# KiCad board Y_BUS_Ctrl.kicad_pcb
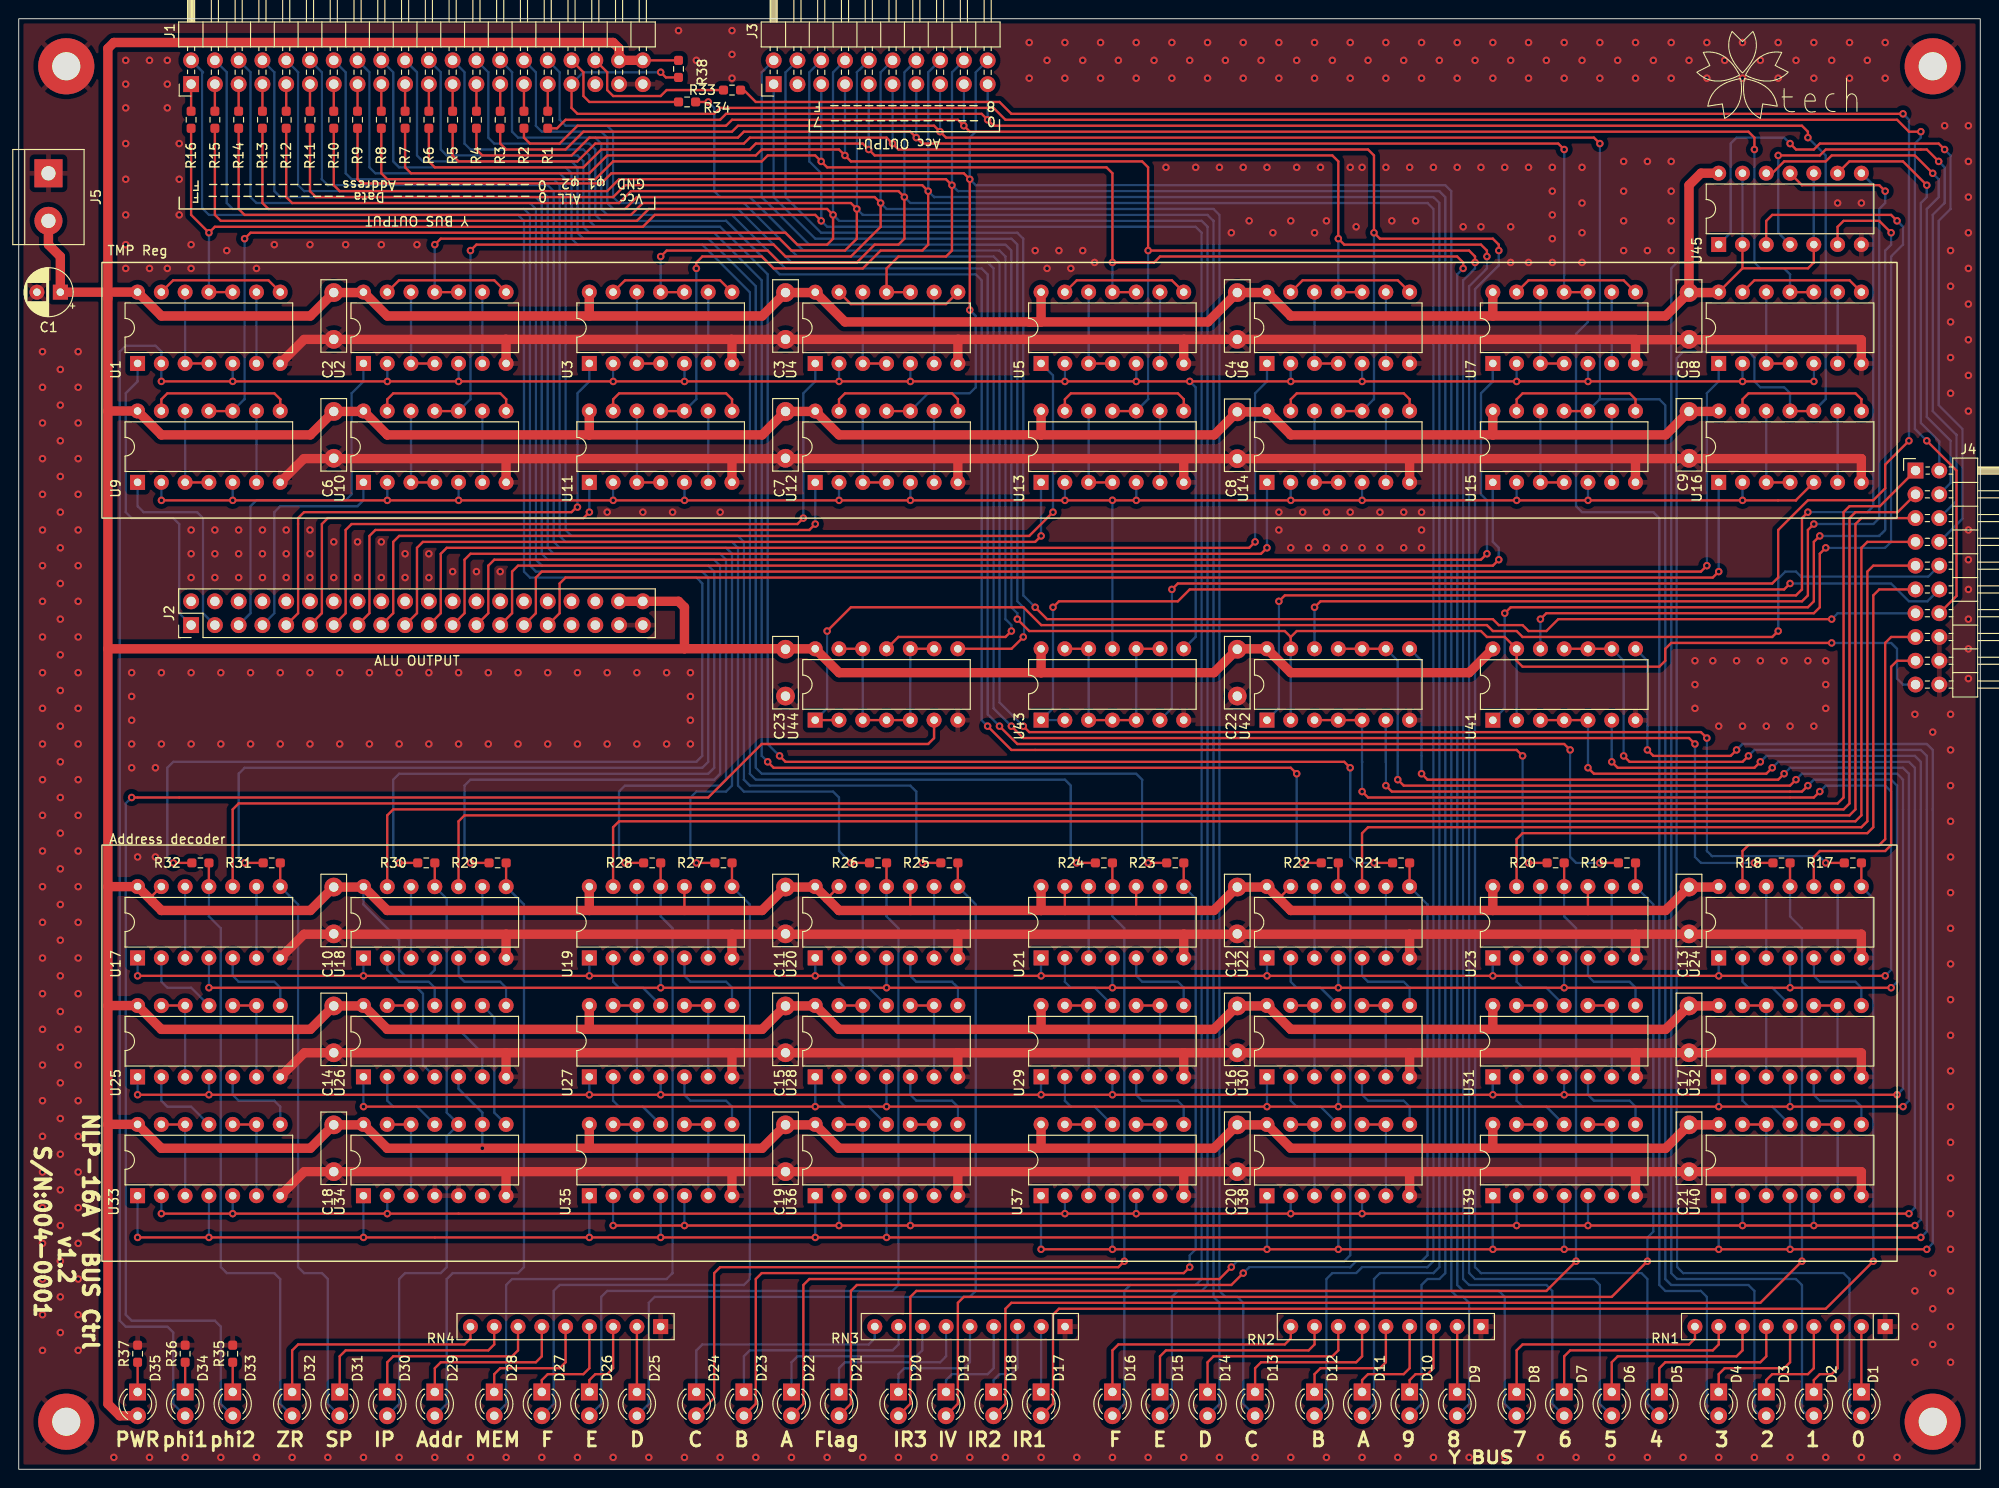
[diagram p0: board, top side]
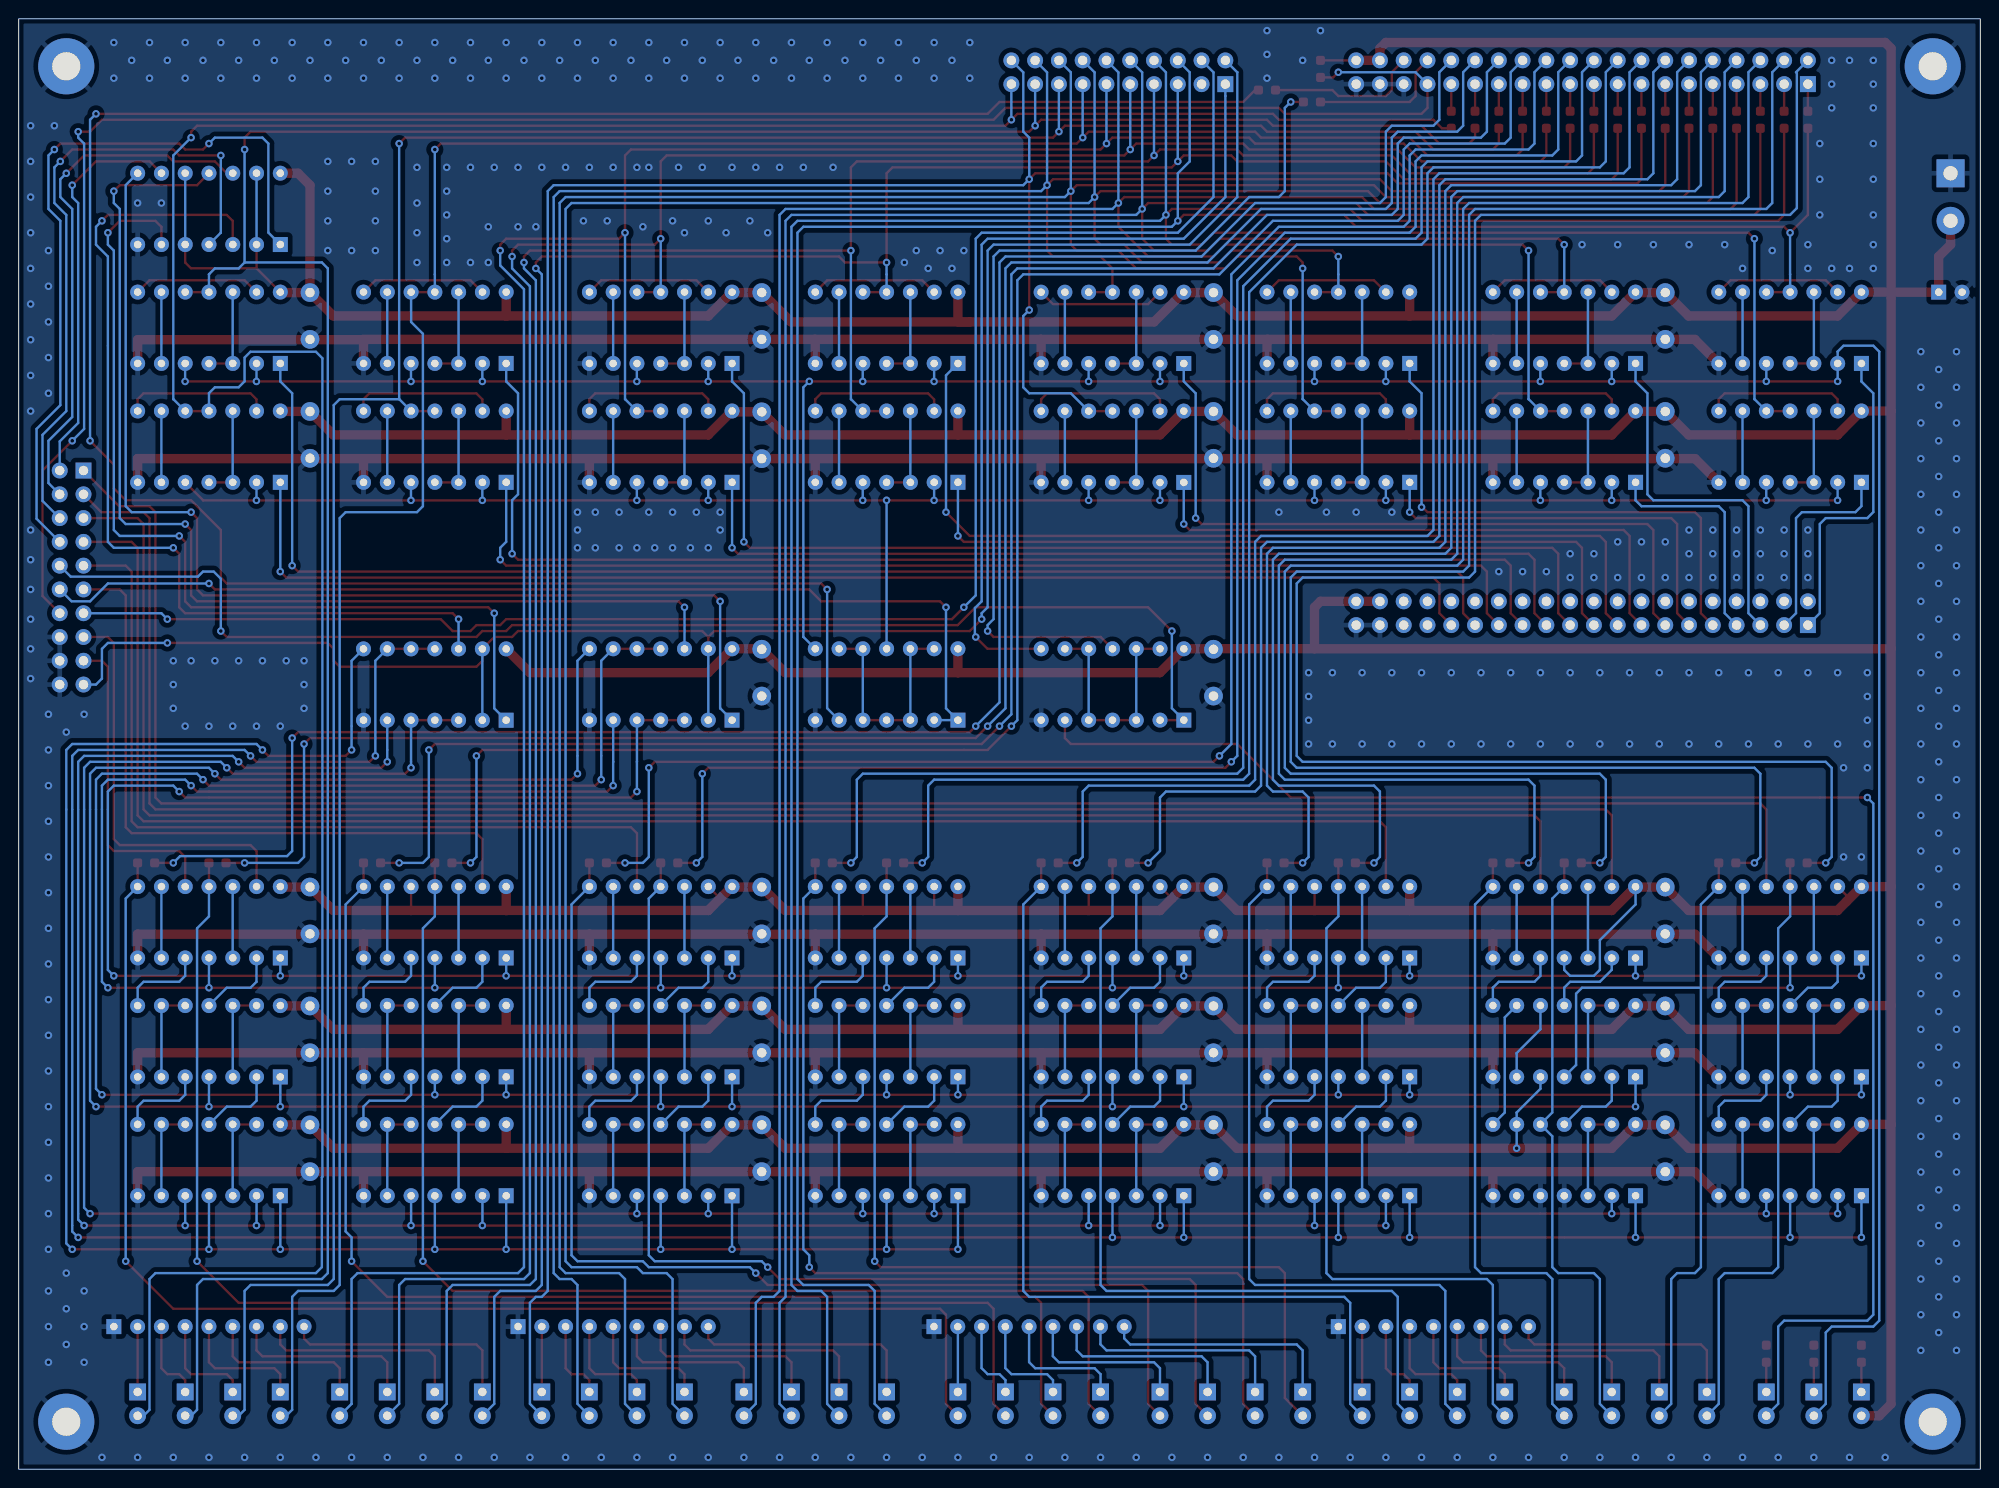
[diagram p1: board, bottom side, seen from below]

Outline 209.55 x 154.94 mm; copper layers: Top, Bottom. Coordinates in mm from the lower left corner of the outline.
Outline path: rectangle 0,154.94 209.55,0
Stack: Top 0.035mm / dielectric 1.51mm FR4 er 4.5 / Bottom 0.035mm

## Placement (name value [footprint] x y rotation side)
C1  C_Polarized  [CP_Radial_D5.0mm_P2.50mm]  4.45 125.73 180 top
C2  C  [C_Disc_D7.5mm_W2.5mm_P5.00mm]  33.65 120.69 90 top
C3  C  [C_Disc_D7.5mm_W2.5mm_P5.00mm]  81.91 120.69 90 top
C4  C  [C_Disc_D7.5mm_W2.5mm_P5.00mm]  130.18 120.69 90 top
C5  C  [C_Disc_D7.5mm_W2.5mm_P5.00mm]  178.44 120.69 90 top
C6  C  [C_Disc_D7.5mm_W2.5mm_P5.00mm]  33.65 107.99 90 top
C7  C  [C_Disc_D7.5mm_W2.5mm_P5.00mm]  81.91 107.99 90 top
C8  C  [C_Disc_D7.5mm_W2.5mm_P5.00mm]  130.18 107.95 90 top
C9  C  [C_Disc_D7.5mm_W2.5mm_P5.00mm]  178.44 107.99 90 top
C10  C  [C_Disc_D7.5mm_W2.5mm_P5.00mm]  33.65 57.19 90 top
C11  C  [C_Disc_D7.5mm_W2.5mm_P5.00mm]  81.91 57.19 90 top
C12  C  [C_Disc_D7.5mm_W2.5mm_P5.00mm]  130.18 57.19 90 top
C13  C  [C_Disc_D7.5mm_W2.5mm_P5.00mm]  178.44 57.19 90 top
C14  C  [C_Disc_D7.5mm_W2.5mm_P5.00mm]  33.65 44.49 90 top
C15  C  [C_Disc_D7.5mm_W2.5mm_P5.00mm]  81.91 44.49 90 top
C16  C  [C_Disc_D7.5mm_W2.5mm_P5.00mm]  130.18 44.49 90 top
C17  C  [C_Disc_D7.5mm_W2.5mm_P5.00mm]  178.44 44.49 90 top
C18  C  [C_Disc_D7.5mm_W2.5mm_P5.00mm]  33.65 31.79 90 top
C19  C  [C_Disc_D7.5mm_W2.5mm_P5.00mm]  81.91 31.79 90 top
C20  C  [C_Disc_D7.5mm_W2.5mm_P5.00mm]  130.18 31.79 90 top
C21  C  [C_Disc_D7.5mm_W2.5mm_P5.00mm]  178.44 31.79 90 top
C22  C  [C_Disc_D7.5mm_W2.5mm_P5.00mm]  130.18 82.59 90 top
C23  C  [C_Disc_D7.5mm_W2.5mm_P5.00mm]  81.91 82.59 90 top
D1  LED  [LED_D3.0mm]  196.85 8.26 270 top
D2  LED  [LED_D3.0mm]  191.77 8.26 270 top
D3  LED  [LED_D3.0mm]  186.69 8.26 270 top
D4  LED  [LED_D3.0mm]  181.61 8.26 270 top
D5  LED  [LED_D3.0mm]  175.26 8.26 270 top
D6  LED  [LED_D3.0mm]  170.18 8.26 270 top
D7  LED  [LED_D3.0mm]  165.1 8.26 270 top
D8  LED  [LED_D3.0mm]  160.02 8.26 270 top
D9  LED  [LED_D3.0mm]  153.67 8.26 270 top
D10  LED  [LED_D3.0mm]  148.59 8.26 270 top
D11  LED  [LED_D3.0mm]  143.51 8.26 270 top
D12  LED  [LED_D3.0mm]  138.43 8.26 270 top
D13  LED  [LED_D3.0mm]  132.08 8.26 270 top
D14  LED  [LED_D3.0mm]  127 8.25 270 top
D15  LED  [LED_D3.0mm]  121.92 8.25 270 top
D16  LED  [LED_D3.0mm]  116.84 8.26 270 top
D17  LED  [LED_D3.0mm]  109.22 8.26 270 top
D18  LED  [LED_D3.0mm]  104.14 8.26 270 top
D19  LED  [LED_D3.0mm]  99.06 8.26 270 top
D20  LED  [LED_D3.0mm]  93.98 8.26 270 top
D21  LED  [LED_D3.0mm]  87.63 8.26 270 top
D22  LED  [LED_D3.0mm]  82.55 8.25 270 top
D23  LED  [LED_D3.0mm]  77.47 8.26 270 top
D24  LED  [LED_D3.0mm]  72.39 8.26 270 top
D25  LED  [LED_D3.0mm]  66.04 8.25 270 top
D26  LED  [LED_D3.0mm]  60.96 8.26 270 top
D27  LED  [LED_D3.0mm]  55.88 8.26 270 top
D28  LED  [LED_D3.0mm]  50.8 8.25 270 top
D29  LED  [LED_D3.0mm]  44.45 8.25 270 top
D30  LED  [LED_D3.0mm]  39.37 8.25 270 top
D31  LED  [LED_D3.0mm]  34.29 8.25 270 top
D32  LED  [LED_D3.0mm]  29.21 8.25 270 top
D33  LED  [LED_D3.0mm]  22.86 8.26 270 top
D34  LED  [LED_D3.0mm]  17.78 8.25 270 top
D35  LED  [LED_D3.0mm]  12.7 8.25 270 top
G***  -  [LOGO]  188.59 148.59 0 top
H1  MountingHole_Pad  [MountingHole_3mm_Pad]  5.08 149.86 0 top
H2  MountingHole_Pad  [MountingHole_3mm_Pad]  204.47 149.86 0 top
H3  MountingHole_Pad  [MountingHole_3mm_Pad]  204.47 5.08 90 top
H4  MountingHole_Pad  [MountingHole_3mm_Pad]  5.08 5.08 0 top
J1  Conn_02x20_Odd_Even  [PinHeader_2x20_P2.54mm_Horizontal]  18.41 147.95 90 top
J2  Conn_02x20_Odd_Even  [PinHeader_2x20_P2.54mm_Vertical]  18.41 90.17 90 top
J3  Conn_02x10_Odd_Even  [PinHeader_2x10_P2.54mm_Horizontal]  80.65 147.95 90 top
J4  Conn_02x10_Counter_Clockwise  [PinHeader_2x10_P2.54mm_Horizontal]  202.63 106.68 0 top
J5  Screw_Terminal_01x02  [TerminalBlock_bornier-2_P5.08mm]  3.17 138.43 270 top
R1  22  [R_0603_1608Metric_Pad0.98x0.95mm_HandSolder]  56.51 144.14 270 top
R2  22  [R_0603_1608Metric_Pad0.98x0.95mm_HandSolder]  53.98 144.14 270 top
R3  22  [R_0603_1608Metric_Pad0.98x0.95mm_HandSolder]  51.43 144.14 270 top
R4  22  [R_0603_1608Metric_Pad0.98x0.95mm_HandSolder]  48.9 144.14 270 top
R5  22  [R_0603_1608Metric_Pad0.98x0.95mm_HandSolder]  46.35 144.14 270 top
R6  22  [R_0603_1608Metric_Pad0.98x0.95mm_HandSolder]  43.82 144.14 270 top
R7  22  [R_0603_1608Metric_Pad0.98x0.95mm_HandSolder]  41.27 144.14 270 top
R8  22  [R_0603_1608Metric_Pad0.98x0.95mm_HandSolder]  38.74 144.14 270 top
R9  22  [R_0603_1608Metric_Pad0.98x0.95mm_HandSolder]  36.2 144.14 270 top
R10  22  [R_0603_1608Metric_Pad0.98x0.95mm_HandSolder]  33.65 144.14 270 top
R11  22  [R_0603_1608Metric_Pad0.98x0.95mm_HandSolder]  31.12 144.14 270 top
R12  22  [R_0603_1608Metric_Pad0.98x0.95mm_HandSolder]  28.57 144.14 270 top
R13  22  [R_0603_1608Metric_Pad0.98x0.95mm_HandSolder]  26.03 144.14 270 top
R14  22  [R_0603_1608Metric_Pad0.98x0.95mm_HandSolder]  23.49 144.14 270 top
R15  22  [R_0603_1608Metric_Pad0.98x0.95mm_HandSolder]  20.95 144.14 270 top
R16  22  [R_0603_1608Metric_Pad0.98x0.95mm_HandSolder]  18.41 144.14 270 top
R17  22  [R_0603_1608Metric_Pad0.98x0.95mm_HandSolder]  195.94 64.77 180 top
R18  22  [R_0603_1608Metric_Pad0.98x0.95mm_HandSolder]  188.32 64.77 180 top
R19  22  [R_0603_1608Metric_Pad0.98x0.95mm_HandSolder]  171.81 64.77 180 top
R20  22  [R_0603_1608Metric_Pad0.98x0.95mm_HandSolder]  164.19 64.77 180 top
R21  22  [R_0603_1608Metric_Pad0.98x0.95mm_HandSolder]  147.68 64.77 180 top
R22  22  [R_0603_1608Metric_Pad0.98x0.95mm_HandSolder]  140.06 64.77 180 top
R23  22  [R_0603_1608Metric_Pad0.98x0.95mm_HandSolder]  123.55 64.77 180 top
R24  22  [R_0603_1608Metric_Pad0.98x0.95mm_HandSolder]  115.93 64.77 180 top
R25  22  [R_0603_1608Metric_Pad0.98x0.95mm_HandSolder]  99.42 64.77 180 top
R26  22  [R_0603_1608Metric_Pad0.98x0.95mm_HandSolder]  91.8 64.77 180 top
R27  22  [R_0603_1608Metric_Pad0.98x0.95mm_HandSolder]  75.29 64.77 180 top
R28  22  [R_0603_1608Metric_Pad0.98x0.95mm_HandSolder]  67.67 64.77 180 top
R29  22  [R_0603_1608Metric_Pad0.98x0.95mm_HandSolder]  51.16 64.77 180 top
R30  22  [R_0603_1608Metric_Pad0.98x0.95mm_HandSolder]  43.54 64.77 180 top
R31  22  [R_0603_1608Metric_Pad0.98x0.95mm_HandSolder]  27.03 64.77 180 top
R32  22  [R_0603_1608Metric_Pad0.98x0.95mm_HandSolder]  19.41 64.77 180 top
R33  22  [R_0603_1608Metric_Pad0.98x0.95mm_HandSolder]  76.2 147.32 180 top
R34  22  [R_0603_1608Metric_Pad0.98x0.95mm_HandSolder]  71.4 146.05 180 top
R35  R  [R_0603_1608Metric_Pad0.98x0.95mm_HandSolder]  22.86 12.34 90 top
R36  R  [R_0603_1608Metric_Pad0.98x0.95mm_HandSolder]  17.78 12.34 90 top
R37  R  [R_0603_1608Metric_Pad0.98x0.95mm_HandSolder]  12.7 12.34 90 top
R38  R  [R_0603_1608Metric_Pad0.98x0.95mm_HandSolder]  70.49 149.58 270 top
RN1  R_Network08_Split  [R_Array_SIP9]  199.39 15.24 180 top
RN2  R_Network08_Split  [R_Array_SIP9]  156.21 15.24 180 top
RN3  R_Network08_Split  [R_Array_SIP9]  111.78 15.24 180 top
RN4  R_Network08_Split  [R_Array_SIP9]  68.58 15.24 180 top
U1  CD74HC00  [DIP-14_W7.62mm]  12.7 118.12 90 top
U2  CD74HC00  [DIP-14_W7.62mm]  36.82 118.12 90 top
U3  CD74HC00  [DIP-14_W7.62mm]  60.96 118.12 90 top
U4  CD74HC00  [DIP-14_W7.62mm]  85.09 118.11 90 top
U5  CD74HC00  [DIP-14_W7.62mm]  109.22 118.12 90 top
U6  CD74HC00  [DIP-14_W7.62mm]  133.34 118.12 90 top
U7  CD74HC00  [DIP-14_W7.62mm]  157.47 118.12 90 top
U8  CD74HC00  [DIP-14_W7.62mm]  181.61 118.12 90 top
U9  CD74HC00  [DIP-14_W7.62mm]  12.7 105.42 90 top
U10  CD74HC00  [DIP-14_W7.62mm]  36.82 105.42 90 top
U11  CD74HC00  [DIP-14_W7.62mm]  60.96 105.42 90 top
U12  CD74HC00  [DIP-14_W7.62mm]  85.09 105.41 90 top
U13  CD74HC00  [DIP-14_W7.62mm]  109.22 105.42 90 top
U14  CD74HC00  [DIP-14_W7.62mm]  133.34 105.42 90 top
U15  CD74HC00  [DIP-14_W7.62mm]  157.47 105.42 90 top
U16  CD74HC00  [DIP-14_W7.62mm]  181.61 105.42 90 top
U17  CD74HC00  [DIP-14_W7.62mm]  12.7 54.62 90 top
U18  CD74HC00  [DIP-14_W7.62mm]  36.83 54.61 90 top
U19  CD74HC00  [DIP-14_W7.62mm]  60.96 54.62 90 top
U20  CD74HC00  [DIP-14_W7.62mm]  85.09 54.62 90 top
U21  CD74HC00  [DIP-14_W7.62mm]  109.22 54.62 90 top
U22  CD74HC00  [DIP-14_W7.62mm]  133.34 54.62 90 top
U23  CD74HC00  [DIP-14_W7.62mm]  157.47 54.62 90 top
U24  CD74HC00  [DIP-14_W7.62mm]  181.61 54.62 90 top
U25  CD74HC00  [DIP-14_W7.62mm]  12.7 41.91 90 top
U26  CD74HC00  [DIP-14_W7.62mm]  36.82 41.92 90 top
U27  CD74HC00  [DIP-14_W7.62mm]  60.96 41.92 90 top
U28  CD74HC00  [DIP-14_W7.62mm]  85.09 41.92 90 top
U29  CD74HC00  [DIP-14_W7.62mm]  109.22 41.92 90 top
U30  CD74HC00  [DIP-14_W7.62mm]  133.34 41.92 90 top
U31  CD74HC00  [DIP-14_W7.62mm]  157.47 41.92 90 top
U32  CD74HC00  [DIP-14_W7.62mm]  181.61 41.91 90 top
U33  CD74HC00  [DIP-14_W7.62mm]  12.7 29.22 90 top
U34  CD74HC00  [DIP-14_W7.62mm]  36.82 29.22 90 top
U35  CD74HC00  [DIP-14_W7.62mm]  60.96 29.22 90 top
U36  CD74HC00  [DIP-14_W7.62mm]  85.09 29.22 90 top
U37  CD74HC00  [DIP-14_W7.62mm]  109.22 29.22 90 top
U38  CD74HC00  [DIP-14_W7.62mm]  133.35 29.21 90 top
U39  CD74HC00  [DIP-14_W7.62mm]  157.47 29.22 90 top
U40  CD74HC00  [DIP-14_W7.62mm]  181.61 29.22 90 top
U41  CD74HC00  [DIP-14_W7.62mm]  157.48 80.01 90 top
U42  CD74HC00  [DIP-14_W7.62mm]  133.34 80.02 90 top
U43  CD74HC00  [DIP-14_W7.62mm]  109.22 80.02 90 top
U44  CD74HC00  [DIP-14_W7.62mm]  85.09 80.02 90 top
U45  CD74HC00  [DIP-14_W7.62mm]  181.61 130.82 90 top

## Footprints (pads in the part's own frame, mm; a bottom-side part is the same pattern mirrored in y, then rotated)
C_Disc_D7.5mm_W2.5mm_P5.00mm
  round 2 hole 1: 1(0,0) 2(5,0)
CP_Radial_D5.0mm_P2.50mm
  rect 1.6x1.6 hole 0.8: 1(0,0)
  round 1.6 hole 0.8: 2(2.5,0)
DIP-14_W7.62mm
  rect 1.6x1.6 hole 0.8: 1(0,0)
  oval 1.6x1.6 hole 0.8: 2(0,-2.54) 3(0,-5.08) 4(0,-7.62) 5(0,-10.16) 6(0,-12.7) 7(0,-15.24) 8(7.62,-15.24) 9(7.62,-12.7) 10(7.62,-10.16) 11(7.62,-7.62) 12(7.62,-5.08) 13(7.62,-2.54) 14(7.62,0)
LED_D3.0mm
  rect 1.8x1.8 hole 0.9: 1(0,0)
  round 1.8 hole 0.9: 2(2.54,0)
MountingHole_3mm_Pad
  round 6 hole 3: 1(0,0)
PinHeader_2x10_P2.54mm_Horizontal
  rect 1.7x1.7 hole 1: 1(0,0)
  oval 1.7x1.7 hole 1: 2(2.54,0) 3(0,-2.54) 4(2.54,-2.54) 5(0,-5.08) 6(2.54,-5.08) 7(0,-7.62) 8(2.54,-7.62) 9(0,-10.16) 10(2.54,-10.16) 11(0,-12.7) 12(2.54,-12.7) 13(0,-15.24) 14(2.54,-15.24) 15(0,-17.78) 16(2.54,-17.78) 17(0,-20.32) 18(2.54,-20.32) 19(0,-22.86) 20(2.54,-22.86)
PinHeader_2x20_P2.54mm_Horizontal
  rect 1.7x1.7 hole 1: 1(0,0)
  oval 1.7x1.7 hole 1: 2(2.54,0) 3(0,-2.54) 4(2.54,-2.54) 5(0,-5.08) 6(2.54,-5.08) 7(0,-7.62) 8(2.54,-7.62) 9(0,-10.16) 10(2.54,-10.16) 11(0,-12.7) 12(2.54,-12.7) 13(0,-15.24) 14(2.54,-15.24) 15(0,-17.78) 16(2.54,-17.78) 17(0,-20.32) 18(2.54,-20.32) 19(0,-22.86) 20(2.54,-22.86) 21(0,-25.4) 22(2.54,-25.4) 23(0,-27.94) 24(2.54,-27.94) 25(0,-30.48) 26(2.54,-30.48) 27(0,-33.02) 28(2.54,-33.02) 29(0,-35.56) 30(2.54,-35.56) 31(0,-38.1) 32(2.54,-38.1) 33(0,-40.64) 34(2.54,-40.64) 35(0,-43.18) 36(2.54,-43.18) 37(0,-45.72) 38(2.54,-45.72) 39(0,-48.26) 40(2.54,-48.26)
PinHeader_2x20_P2.54mm_Vertical
  rect 1.7x1.7 hole 1: 1(0,0)
  oval 1.7x1.7 hole 1: 2(2.54,0) 3(0,-2.54) 4(2.54,-2.54) 5(0,-5.08) 6(2.54,-5.08) 7(0,-7.62) 8(2.54,-7.62) 9(0,-10.16) 10(2.54,-10.16) 11(0,-12.7) 12(2.54,-12.7) 13(0,-15.24) 14(2.54,-15.24) 15(0,-17.78) 16(2.54,-17.78) 17(0,-20.32) 18(2.54,-20.32) 19(0,-22.86) 20(2.54,-22.86) 21(0,-25.4) 22(2.54,-25.4) 23(0,-27.94) 24(2.54,-27.94) 25(0,-30.48) 26(2.54,-30.48) 27(0,-33.02) 28(2.54,-33.02) 29(0,-35.56) 30(2.54,-35.56) 31(0,-38.1) 32(2.54,-38.1) 33(0,-40.64) 34(2.54,-40.64) 35(0,-43.18) 36(2.54,-43.18) 37(0,-45.72) 38(2.54,-45.72) 39(0,-48.26) 40(2.54,-48.26)
R_0603_1608Metric_Pad0.98x0.95mm_HandSolder
  rrect 0.975x0.95 smd: 1(-0.912,0) 2(0.912,0)
R_Array_SIP9
  rect 1.6x1.6 hole 0.8: 1(0,0)
  oval 1.6x1.6 hole 0.8: 2(2.54,0) 3(5.08,0) 4(7.62,0) 5(10.16,0) 6(12.7,0) 7(15.24,0) 8(17.78,0) 9(20.32,0)
TerminalBlock_bornier-2_P5.08mm
  rect 3x3 hole 1.52: 1(0,0)
  round 3 hole 1.52: 2(5.08,0)

## Nets
GND: C1.2 C2.1 C3.1 C4.1 C5.1 C6.1 C7.1 C8.1 C9.1 C10.1 C11.1 C12.1 C13.1 C14.1 C15.1 C16.1 C17.1 C18.1 C19.1 C20.1 C21.1 C22.1 C23.1 H1.1 H2.1 H3.1 H4.1 J1.35 J1.37 J1.39 J2.37 J2.39 J4.16 J4.18 J4.20 J5.1 R35.2 R36.2 R37.2 RN1.1 RN2.1 RN3.1 RN4.1 U1.7 U2.7 U3.7 U4.7 U5.7 U6.7 U7.7 U8.7 U9.7 U10.7 U11.7 U12.7 U13.7 U14.7 U15.7 U16.7 U17.7 U18.7 U19.7 U20.7 U21.7 U22.7 U23.7 U24.7 U25.7 U26.7 U27.7 U28.7 U29.7 U30.7 U31.7 U32.7 U33.7 U34.4 U34.5 U34.7 U35.7 U36.7 U37.7 U38.7 U39.7 U40.7 U41.7 U42.7 U43.7 U44.7 U45.7
VCC: C1.1 C2.2 C3.2 C4.2 C5.2 C6.2 C7.2 C8.2 C9.2 C10.2 C11.2 C12.2 C13.2 C14.2 C15.2 C16.2 C17.2 C18.2 C19.2 C20.2 C21.2 C22.2 C23.2 D35.2 J1.38 J1.40 J2.38 J2.40 J5.2 R38.1 U1.14 U2.14 U3.14 U4.14 U5.14 U6.14 U7.14 U8.14 U9.14 U10.14 U11.14 U12.14 U13.14 U14.14 U15.14 U16.14 U17.13 U17.14 U18.4 U18.14 U19.10 U19.14 U20.10 U20.13 U20.14 U21.10 U21.13 U21.14 U22.13 U22.14 U23.10 U23.14 U24.14 U25.14 U26.5 U26.14 U27.14 U28.14 U29.14 U30.14 U31.14 U32.14 U33.14 U34.9 U34.14 U35.14 U36.14 U37.14 U38.14 U39.14 U40.14 U41.14 U42.14 U43.14 U44.14 U45.2 U45.5 U45.10 U45.13 U45.14
/address_decoder/decoder0/A: U37.1 U37.4 U38.1 U38.4 U39.1 U39.4 U40.1 U40.4 U41.8
/address_decoder/decoder0/B: U35.2 U35.5 U36.2 U36.5 U39.2 U39.5 U40.2 U40.5 U41.6
/address_decoder/decoder0/C: U26.1 U28.1 U28.4 U30.1 U30.4 U32.1 U32.4 U42.8
/address_decoder/decoder0/D: U17.4 U19.4 U20.4 U21.4 U22.4 U23.4 U24.4 U42.6
/address_decoder/decoder1/D: U17.1 U18.1 U19.1 U20.1 U21.1 U22.1 U23.1 U24.1 U42.3 U42.4 U42.5
/address_decoder/decoder10/A: U33.1 U33.4 U34.1 U35.1 U35.4 U36.1 U36.4 U41.9 U41.10 U41.11
/address_decoder/decoder10/C: U25.1 U25.4 U27.1 U27.4 U29.1 U29.4 U31.1 U31.4 U42.9 U42.10 U42.11
/address_decoder/decoder13/B: U33.2 U33.5 U34.2 U37.2 U37.5 U38.2 U38.5 U41.3 U41.4 U41.5
ALL_CLK: J1.33 J4.14 R38.2
Decoded_Reg_Addr0: D17.2 R17.1 U24.8
Decoded_Reg_Addr1: D18.2 R18.1 U24.11
Decoded_Reg_Addr2: D19.2 R19.1 U23.8
Decoded_Reg_Addr3: D20.2 R20.1 U23.11
Decoded_Reg_Addr4: D21.2 R21.1 U22.8
Decoded_Reg_Addr5: D22.2 R22.1 U22.11
Decoded_Reg_Addr6: D23.2 R23.1 U21.8
Decoded_Reg_Addr7: D24.2 R24.1 U21.11
Decoded_Reg_Addr8: D25.2 R25.1 U20.8
Decoded_Reg_Addr9: D26.2 R26.1 U20.11
Decoded_Reg_Addr10: D27.2 R27.1 U19.8
Decoded_Reg_Addr11: D28.2 R28.1 U19.11
Decoded_Reg_Addr12: D29.2 R29.1 U18.8
Decoded_Reg_Addr13: D30.2 R30.1 U18.11 U34.10
Decoded_Reg_Addr14: D31.2 R31.1 U17.8 U26.4
Decoded_Reg_Addr15: D32.2 R32.1 U17.11
IN0: J2.31 U16.1
IN1: J2.29 U8.1
IN2: J2.27 U15.1
IN3: J2.25 U7.1
IN4: J2.23 U14.1
IN5: J2.21 U6.1
IN6: J2.19 U13.1
IN7: J2.17 U5.1
IN8: J2.15 U12.1
IN9: J2.13 U4.1
IN10: J2.11 U11.1
IN11: J2.9 U3.1
IN12: J2.7 U10.1
IN13: J2.5 U2.1
IN14: J2.3 U9.1
IN15: J2.1 U1.1
OUT0: D1.2 J3.19 R1.2 U16.10 U16.11
OUT1: D2.2 J3.17 R2.2 U8.10 U8.11
OUT2: D3.2 J3.15 R3.2 U15.10 U15.11
OUT3: D4.2 J3.13 R4.2 U7.10 U7.11
OUT4: D5.2 J3.11 R5.2 U14.10 U14.11
OUT5: D6.2 J3.9 R6.2 U6.10 U6.11
OUT6: D7.2 J3.7 R7.2 U13.10 U13.11
OUT7: D8.2 J3.5 R8.2 U5.10 U5.11
OUT8: D9.2 J3.20 R9.2 U12.10 U12.11
OUT9: D10.2 J3.18 R10.2 U4.10 U4.11
OUT10: D11.2 J3.16 R11.2 U11.10 U11.11
OUT11: D12.2 J3.14 R12.2 U3.10 U3.11
OUT12: D13.2 J3.12 R13.2 U10.10 U10.11
OUT13: D14.2 J3.10 R14.2 U2.10 U2.11
OUT14: D15.2 J3.8 R15.2 U9.10 U9.11
OUT15: D16.2 J3.6 R16.2 U1.10 U1.11
phi1: J4.12 U43.1 U43.2
phi1_bus: J1.36 R33.2
phi1_Reg1: U9.2 U9.5 U10.2 U10.5 U11.2 U11.5 U12.2 U12.5 U13.2 U13.5 U14.2 U14.5 U15.2 U15.5 U16.2 U16.5 U43.11
phi1_Reg2: D34.2 U1.2 U1.5 U2.2 U2.5 U3.2 U3.5 U4.2 U4.5 U5.2 U5.5 U6.2 U6.5 U7.2 U7.5 U8.2 U8.5 U43.8
phi2: J4.10 U44.1 U44.2
phi2_Acc: J3.1 U44.8
phi2_bus: J1.34 R34.2
Reg_Addr0: J4.2 U45.9
Reg_Addr1: J4.4 U45.12
Reg_Addr2: J4.6 U45.4
Reg_Addr3: J4.8 U45.1
~Acc: J3.4 J4.13
~Address: J4.5 U18.10
~Flag: J4.9 U22.10
~INTERNAL: J3.2 J4.19 U41.2 U41.13 U42.2 U42.13
~IP: J4.3 U18.13
~IR1: J4.17 U24.10
~IR2: J4.15 U24.13
~IR3: J4.11 U23.13
~MEM: J4.7 U19.13
~SP: J4.1 U17.10
Net-(D1-Pad1): D1.1 RN1.2
Net-(D2-Pad1): D2.1 RN1.3
Net-(D3-Pad1): D3.1 RN1.4
Net-(D4-Pad1): D4.1 RN1.5
Net-(D5-Pad1): D5.1 RN1.6
Net-(D6-Pad1): D6.1 RN1.7
Net-(D7-Pad1): D7.1 RN1.8
Net-(D8-Pad1): D8.1 RN1.9
Net-(D9-Pad1): D9.1 RN2.2
Net-(D10-Pad1): D10.1 RN2.3
Net-(D11-Pad1): D11.1 RN2.4
Net-(D12-Pad1): D12.1 RN2.5
Net-(D13-Pad1): D13.1 RN2.6
Net-(D14-Pad1): D14.1 RN2.7
Net-(D15-Pad1): D15.1 RN2.8
Net-(D16-Pad1): D16.1 RN2.9
Net-(D17-Pad1): D17.1 RN3.2
Net-(D18-Pad1): D18.1 RN3.3
Net-(D19-Pad1): D19.1 RN3.4
Net-(D20-Pad1): D20.1 RN3.5
Net-(D21-Pad1): D21.1 RN3.6
Net-(D22-Pad1): D22.1 RN3.7
Net-(D23-Pad1): D23.1 RN3.8
Net-(D24-Pad1): D24.1 RN3.9
Net-(D25-Pad1): D25.1 RN4.2
Net-(D26-Pad1): D26.1 RN4.3
Net-(D27-Pad1): D27.1 RN4.4
Net-(D28-Pad1): D28.1 RN4.5
Net-(D29-Pad1): D29.1 RN4.6
Net-(D30-Pad1): D30.1 RN4.7
Net-(D31-Pad1): D31.1 RN4.8
Net-(D32-Pad1): D32.1 RN4.9
Net-(D33-Pad1): D33.1 R35.1
Net-(D33-Pad2): D33.2 U44.6
Net-(D34-Pad1): D34.1 R36.1
Net-(D35-Pad1): D35.1 R37.1
Net-(J1-Pad1): J1.1 R16.1
Net-(J1-Pad2): J1.2 R32.2
Net-(J1-Pad3): J1.3 R15.1
Net-(J1-Pad4): J1.4 R31.2
Net-(J1-Pad5): J1.5 R14.1
Net-(J1-Pad6): J1.6 R30.2
Net-(J1-Pad7): J1.7 R13.1
Net-(J1-Pad8): J1.8 R29.2
Net-(J1-Pad9): J1.9 R12.1
Net-(J1-Pad10): J1.10 R28.2
Net-(J1-Pad11): J1.11 R11.1
Net-(J1-Pad12): J1.12 R27.2
Net-(J1-Pad13): J1.13 R10.1
Net-(J1-Pad14): J1.14 R26.2
Net-(J1-Pad15): J1.15 R9.1
Net-(J1-Pad16): J1.16 R25.2
Net-(J1-Pad17): J1.17 R8.1
Net-(J1-Pad18): J1.18 R24.2
Net-(J1-Pad19): J1.19 R7.1
Net-(J1-Pad20): J1.20 R23.2
Net-(J1-Pad21): J1.21 R6.1
Net-(J1-Pad22): J1.22 R22.2
Net-(J1-Pad23): J1.23 R5.1
Net-(J1-Pad24): J1.24 R21.2
Net-(J1-Pad25): J1.25 R4.1
Net-(J1-Pad26): J1.26 R20.2
Net-(J1-Pad27): J1.27 R3.1
Net-(J1-Pad28): J1.28 R19.2
Net-(J1-Pad29): J1.29 R2.1
Net-(J1-Pad30): J1.30 R18.2
Net-(J1-Pad31): J1.31 R1.1
Net-(J1-Pad32): J1.32 R17.2
Net-(R33-Pad1): R33.1 U43.6
Net-(R34-Pad1): R34.1 U44.11
Net-(U1-Pad6): U1.6 U1.9
Net-(U1-Pad12): U1.3 U1.4 U1.12
Net-(U1-Pad13): U1.8 U1.13
Net-(U2-Pad6): U2.6 U2.9
Net-(U2-Pad12): U2.3 U2.4 U2.12
Net-(U2-Pad13): U2.8 U2.13
Net-(U3-Pad6): U3.6 U3.9
Net-(U3-Pad12): U3.3 U3.4 U3.12
Net-(U3-Pad13): U3.8 U3.13
Net-(U4-Pad6): U4.6 U4.9
Net-(U4-Pad12): U4.3 U4.4 U4.12
Net-(U4-Pad13): U4.8 U4.13
Net-(U5-Pad6): U5.6 U5.9
Net-(U5-Pad12): U5.3 U5.4 U5.12
Net-(U5-Pad13): U5.8 U5.13
Net-(U6-Pad6): U6.6 U6.9
Net-(U6-Pad12): U6.3 U6.4 U6.12
Net-(U6-Pad13): U6.8 U6.13
Net-(U7-Pad6): U7.6 U7.9
Net-(U7-Pad12): U7.3 U7.4 U7.12
Net-(U7-Pad13): U7.8 U7.13
Net-(U8-Pad6): U8.6 U8.9
Net-(U8-Pad12): U8.3 U8.4 U8.12
Net-(U8-Pad13): U8.8 U8.13
Net-(U9-Pad6): U9.6 U9.9
Net-(U9-Pad12): U9.3 U9.4 U9.12
Net-(U9-Pad13): U9.8 U9.13
Net-(U10-Pad6): U10.6 U10.9
Net-(U10-Pad12): U10.3 U10.4 U10.12
Net-(U10-Pad13): U10.8 U10.13
Net-(U11-Pad6): U11.6 U11.9
Net-(U11-Pad12): U11.3 U11.4 U11.12
Net-(U11-Pad13): U11.8 U11.13
Net-(U12-Pad6): U12.6 U12.9
Net-(U12-Pad12): U12.3 U12.4 U12.12
Net-(U12-Pad13): U12.8 U12.13
Net-(U13-Pad6): U13.6 U13.9
Net-(U13-Pad12): U13.3 U13.4 U13.12
Net-(U13-Pad13): U13.8 U13.13
Net-(U14-Pad6): U14.6 U14.9
Net-(U14-Pad12): U14.3 U14.4 U14.12
Net-(U14-Pad13): U14.8 U14.13
Net-(U15-Pad6): U15.6 U15.9
Net-(U15-Pad12): U15.3 U15.4 U15.12
Net-(U15-Pad13): U15.8 U15.13
Net-(U16-Pad6): U16.6 U16.9
Net-(U16-Pad12): U16.3 U16.4 U16.12
Net-(U16-Pad13): U16.8 U16.13
Net-(U17-Pad2): U17.2 U25.11
Net-(U17-Pad5): U17.5 U25.8
Net-(U17-Pad6): U17.6 U17.9
Net-(U17-Pad12): U17.3 U17.12
Net-(U18-Pad2): U18.2 U26.11
Net-(U18-Pad5): U18.5 U26.8
Net-(U18-Pad6): U18.6 U18.9